# Altium PCB OLD_DIOT_temperature_logger.PcbDoc (part 5 of 6) (continued)
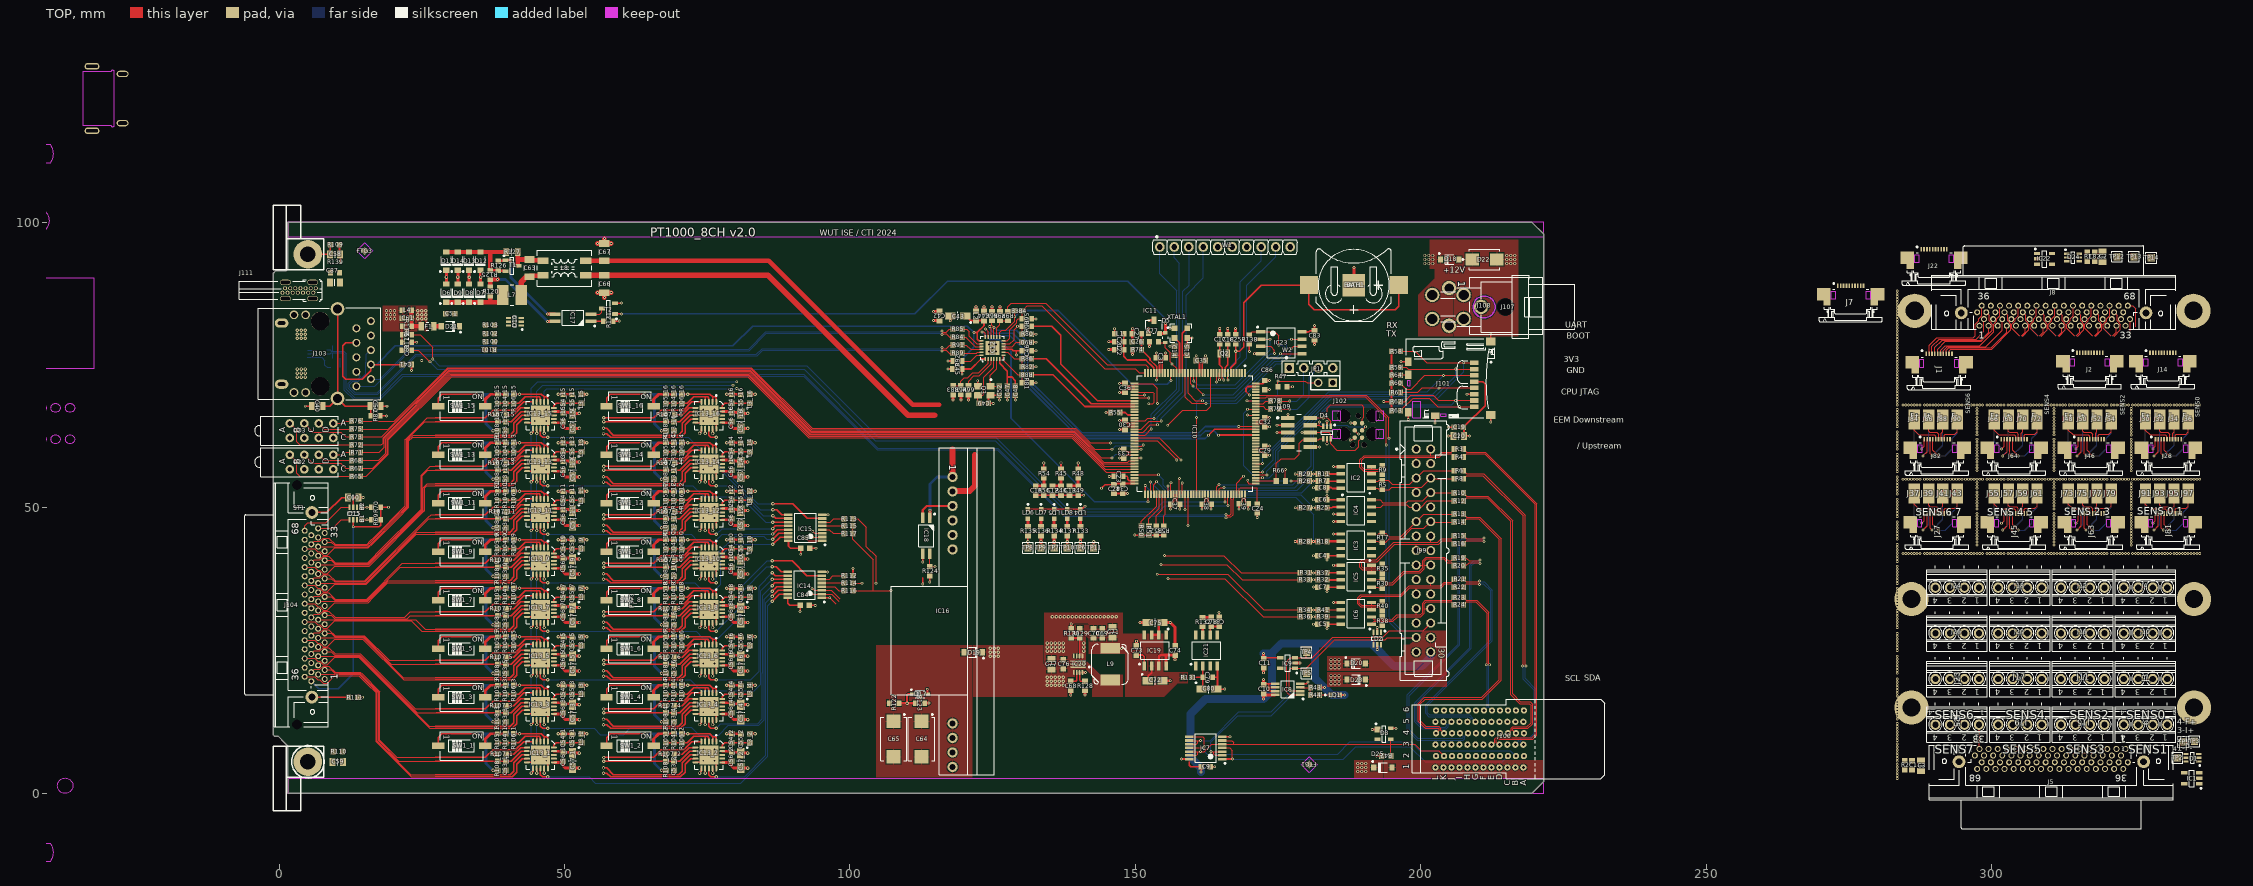
[diagram p0: TOP view]
## Nets (pads, with @x,y where several pads share a name; then routed paths per layer and width w, separated by ;. In a path a pad name is that pad's centre, name@x,y a point inside that pad or via, vN(x,y) a via of type N, cw(c..) or ccw(c..) an arc to the next point about the centre after c; other vN are vias at no path point) (continued)
  MID1 w0.3: v3(19.15,50.1) 19.15,62.425 25.025,68.3 52.575,68.3 ; v2(185.7,20.6) 187.85,22.75 ; 187.8,28.5 187.85,28.45 187.85,22.75 ; v3(193.55,68.625) 196.95,68.625 204.05,61.525 207.475,61.525 v3(208.55,62.6) ; v3(195.675,11.35) 195.675,17.2 190.125,22.75 187.85,22.75
  BOT w0.3: J104.35@5.65,19.595 6.97,18.275 10.375,18.275 13,20.9 v1(13,46.675) 13,47
  other v2: 184.3,19.2 185,19.2 185.7,19.2 184.3,19.9 185,19.9 185.7,19.9 184.3,20.6 185,20.6 135.8,44.05 183.6,61.25
P3V3_EXP1: C82.2 IC22.4 J5.35 TP14.1
P3V3_EXP2: C1.2 IC1.4 J8.35 TP3.1
P3V3_MP: C9.2 C10.2 C11.2 D2.5 D23.1 IC8.8 IC9.4 J99.30 LD1.2 R43.2 R137.1 TP10.1 | length 93.9
  TOP w0.3: 159.475,5.45 159.475,4.875 159.725,4.625 C9.2@161.55,4.625 v3(161.55,3.7) ; C11.2@172.65,23.75 IC9.4@175.4,23.75 ; R43.2@182.3,18.5 v3(183.15,18.5) ; LD1.2@185.825,17.2 v3(186.675,17.2) ; v3(192.4,25.2) D2.5@192.4,26
  TOP w0.5: TP10.1@138.1,43 R137.1@138.1,45.1 ; v3(172.5,16.5) C10.2@172.5,17.4 172.675,17.225 IC8.8@174.5,17.225 ; C11.2@172.5,23.6 v3(172.5,24.5)
  BOT w1.4: v3(161.55,3.7) 161.55,4.406 159.675,6.281 159.675,13.85 162.325,16.5 v3(172.5,16.5) 173.95,17.95 173.95,24.517 173.933,24.5 v3(172.5,24.5) ; 173.95,24.586 175.589,26.225 181.539,26.225 ; v3(186.675,17.2) 184.45,17.2 181.539,20.111 181.539,26.225 ; J99.30@201.77,24.72 201.732,24.682 201.732,23.782 200.25,22.3 195.3,22.3 191.375,26.225 181.539,26.225
  other v2: 138.1,44.05
P3V9: C69.2 C70.2 C71.2 C72.1 IC19.2 L9.2 R48.2 R129.2 R131.1 R135.1 TP8.1 | length 8.1
  TOP w0.254: TP8.1@131.2,43 v2(131.2,44.05) R135.1@131.2,45.1 ; C70.2@142.618,27.282 C70.2@142.7,27.2 ; L9.2@145.6,25.375 v3(147.6,25.375) ; C72.1@152.2,19.7 152.307,19.807 152.307,20.557 152.865,21.115 IC19.2@152.865,22.3
  TOP w0.3: R48.2@140,56.8 v2(140,57.85)
P12V0: R45.2 R133.1 TP6.1 | length 3.1
  TOP w0.3: R45.2@137,56.8 v2(137,57.85)
  TOP w0.5: TP6.1@140.4,43 R133.1@140.4,45.1
  other v2: 140.4,44.05
P12V0_DIOT: D25.2 J100.A1 J100.D1 J100.E1 J100.G1 J100.H1 J100.J1 J100.K1
P12V0_EEM: D20.2 J99.28 J99.29
P12V0_IN: D18.2 D22.1 J107.3 J108.3 J108.4
P12V0_POE: C64.1 C65.1 D19.2 IC16.8 R122.2
PC13: IC10.7 W1.9 | length 28
  TOP w0.127: v1(166.25,72.4) IC10.7@166.25,73.625
  BOT w0.127: v1(166.25,72.4) 166.25,72.95 169.575,76.275 169.575,88.975 174.62,94.02 W1.9@174.62,95.7
PC14: C18.1 IC10.8 Q2.2 | length 5.3
  TOP w0.3: IC10.8@165.75,73.625 165.75,74.575 166.225,75.05 Q2.2@166.225,77 166.225,77.068 166.225,78.675 C18.1@166.2,78.7
PC15: C17.1 IC10.9 Q2.1 W1.8 | length 32.7
  TOP w0.2: IC10.9@165.25,73.625 165.25,72.6 165.45,72.4 v3(165.5,72.4)
  TOP w0.3: C17.1@164.8,78.7 164.8,77.025 Q2.1@164.775,77 164.775,75.05 165.25,74.575 IC10.9@165.25,73.625
  BOT w0.2: v3(165.5,72.4) 165.5,73.5 168.425,76.425 168.425,89.6 172.08,93.255 W1.8@172.08,95.7
PF9_ADCIN: W1.7
PF10_ADCIN: W1.6
PF12: IC10.50 W1.2 | length 35.9
  TOP w0.2: IC10.50@149.875,65.25 151.8,65.25 152.2,65.65 v3(153.3,65.65)
  BOT w0.2: v3(153.3,65.65) 153.3,66.1 157.75,70.55 157.75,92.875 156.84,93.785 W1.2@156.84,95.7
PF13: IC10.53 W1.4 | length 38.8
  TOP w0.2: IC10.53@149.875,63.75 151.075,63.75 152.5,65.175 v3(154.55,65.175)
  BOT w0.2: v3(154.55,65.175) 154.55,65.7 158.92,70.07 158.92,87.27 161.92,90.27 W1.4@161.92,95.7
PF14: IC10.54 W1.3 | length 38
  TOP w0.2: IC10.54@149.875,63.25 151.375,63.25 152.675,64.55 v3(153.875,64.55)
  BOT w0.2: v3(153.875,64.55) 153.875,65.875 158.325,70.325 158.325,87.9 159.425,89 159.425,95.655 W1.3@159.38,95.7
PF15: IC10.55 W1.1 | length 38.3
  TOP w0.2: IC10.55@149.875,62.75 151.725,62.75 v3(152.8,63.825)
  BOT w0.2: v3(152.8,63.825) 152.8,66.35 157.25,70.8 157.25,88.037 154.3,90.987 W1.1@154.3,95.7
PFORCE_N0: J27.5 J35.1 | length 11.7
  TOP w0.127: 289.755,49 289.755,47.045 v3(290.7,46.1)
  BOT w0.127: v3(290.7,46.1) 291.883,46.1 293.1,47.317 293.1,49.2 293.995,50.095 J35.1@293.995,52.5
PFORCE_N1: J27.9 J43.1
PFORCE_N2: J45.5 J53.1 | length 11.7
  TOP w0.127: J45.5@303.755,49 303.755,47.045 v3(304.7,46.1)
  BOT w0.127: v3(304.7,46.1) 305.883,46.1 307.1,47.317 307.1,49.2 307.995,50.095 J53.1@307.995,52.5
PFORCE_N3: J45.9 J61.1 | length 5.4
  TOP w0.127: J45.9@305.745,49 305.745,49.745 305.9,49.9 307.6,49.9 307.995,50.295 J61.1@307.995,52.5
PFORCE_N4: J63.5 J71.1 | length 11.7
  TOP w0.127: 316.755,49 316.755,47.045 v3(317.7,46.1)
  BOT w0.127: v3(317.7,46.1) 318.883,46.1 320.1,47.317 320.1,49.2 320.995,50.095 J71.1@320.995,52.5
PFORCE_N5: J63.9 J79.1
PFORCE_N6: J81.5 J89.1 | length 11.7
  TOP w0.127: 330.255,49 330.255,47.045 v3(331.2,46.1)
  BOT w0.127: v3(331.2,46.1) 332.383,46.1 333.6,47.317 333.6,49.2 334.495,50.095 J89.1@334.495,52.5
PFORCE_N7: J81.9 J97.1
PFORCE_N8: J28.5 J36.1
PFORCE_N9: J28.9 J44.1 | length 11.7
  TOP w0.127: 330.255,62 330.255,60.045 v3(331.2,59.1)
  BOT w0.127: v3(331.2,59.1) 332.383,59.1 333.6,60.317 333.6,62.2 334.495,63.095 J44.1@334.495,65.5
PFORCE_N10: J46.5 J54.1
PFORCE_N11: J46.9 J62.1 | length 11.7
  TOP w0.127: 316.755,62 316.755,60.045 v3(317.7,59.1)
  BOT w0.127: v3(317.7,59.1) 318.883,59.1 320.1,60.317 320.1,62.2 320.995,63.095 J62.1@320.995,65.5
PFORCE_N12: J64.5 J72.1
PFORCE_N13: J64.9 J80.1 | length 17.2
  TOP w0.127: 303.755,62 303.755,60.045 v3(304.7,59.1) ; J64.9@305.745,62 305.745,62.745 305.9,62.9 307.6,62.9 307.995,63.295 307.995,65.5
  BOT w0.127: v3(304.7,59.1) 305.883,59.1 307.1,60.317 307.1,62.2 307.995,63.095 J80.1@307.995,65.5
PFORCE_N14: J82.5 J90.1
PFORCE_N15: J82.9 J98.1 | length 11.7
  TOP w0.127: 289.755,62 289.755,60.045 v3(290.7,59.1)
  BOT w0.127: v3(290.7,59.1) 291.883,59.1 293.1,60.317 293.1,62.2 293.995,63.095 J98.1@293.995,65.5
PFORCE_P0: J27.2 J29.1 | length 7.6
  TOP w0.127: v3(287.8,47.3) 288.245,47.745 288.245,49
  BOT w0.127: J29.1@286.495,52.5 286.495,48.605 v3(287.8,47.3)
PFORCE_P1: J27.6 J37.1 | length 6.6
  TOP w0.127: J37.1@286.495,52.5 286.495,50.605 287.3,49.8 290,49.8 290.245,49.555 290.245,49
PFORCE_P2: J45.2 J47.1 | length 7.6
  TOP w0.127: v3(301.8,47.3) 302.245,47.745 J45.2@302.245,49
  BOT w0.127: J47.1@300.495,52.5 300.495,48.605 v3(301.8,47.3)
PFORCE_P3: J45.6 J55.1 | length 6.6
  TOP w0.127: J55.1@300.495,52.5 300.495,50.605 301.3,49.8 304,49.8 304.245,49.555 J45.6@304.245,49
PFORCE_P4: J63.2 J65.1 | length 7.6
  TOP w0.127: v3(314.8,47.3) 315.245,47.745 315.245,49
  BOT w0.127: J65.1@313.495,52.5 313.495,48.605 v3(314.8,47.3)
PFORCE_P5: J63.6 J73.1 | length 6.6
  TOP w0.127: J73.1@313.495,52.5 313.495,50.605 314.3,49.8 317,49.8 317.245,49.555 317.245,49
PFORCE_P6: J81.2 J83.1 | length 7.6
  TOP w0.127: v3(328.3,47.3) 328.745,47.745 328.745,49
  BOT w0.127: J83.1@326.995,52.5 326.995,48.605 v3(328.3,47.3)
PFORCE_P7: J81.6 J91.1 | length 6.6
  TOP w0.127: J91.1@326.995,52.5 326.995,50.605 327.8,49.8 330.5,49.8 330.745,49.555 330.745,49
PFORCE_P8: J28.2 J30.1 | length 6.6
  TOP w0.127: J30.1@326.995,65.5 326.995,63.605 327.8,62.8 330.5,62.8 330.745,62.555 330.745,62
PFORCE_P9: J28.6 J38.1 | length 7.6
  TOP w0.127: v3(328.3,60.3) 328.745,60.745 328.745,62
  BOT w0.127: J38.1@326.995,65.5 326.995,61.605 v3(328.3,60.3)
PFORCE_P10: J46.2 J48.1 | length 6.6
  TOP w0.127: J48.1@313.495,65.5 313.495,63.605 314.3,62.8 317,62.8 317.245,62.555 317.245,62
PFORCE_P11: J46.6 J56.1 | length 7.6
  TOP w0.127: v3(314.8,60.3) 315.245,60.745 315.245,62
  BOT w0.127: J56.1@313.495,65.5 313.495,61.605 v3(314.8,60.3)
PFORCE_P12: J64.2 J66.1 | length 6.6
  TOP w0.127: J66.1@300.495,65.5 300.495,63.605 301.3,62.8 304,62.8 304.245,62.555 304.245,62
PFORCE_P13: J64.6 J74.1 | length 7.6
  TOP w0.127: v3(301.8,60.3) 302.245,60.745 302.245,62
  BOT w0.127: J74.1@300.495,65.5 300.495,61.605 v3(301.8,60.3)
PFORCE_P14: J82.2 J84.1 | length 6.6
  TOP w0.127: J84.1@286.495,65.5 286.495,63.605 287.3,62.8 290,62.8 290.245,62.555 290.245,62
PFORCE_P15: J82.6 J92.1 | length 7.6
  TOP w0.127: v3(287.8,60.3) 288.245,60.745 288.245,62
  BOT w0.127: J92.1@286.495,65.5 286.495,61.605 v3(287.8,60.3)
PGOOD: IC20.7
PHY_NRST: IC10.129 IC12.15 R98.2 | length 60.8
  TOP w0.2: R98.2@124.9,82.8 124.9,81.95 v3(125.25,81.6) IC12.15@125.25,79.9 ; v3(168.15,64.25) IC10.129@171.125,64.25
  BOT w0.29: v3(125.25,81.6) 125.775,81.075 129.15,81.075 131.167,79.058 131.167,72.617 133.192,70.591 133.217,70.567 140.625,63.159 161.184,63.159 162.275,64.25 v3(168.15,64.25)
PHY_RD_N: D10.1 IC12.22 R91.1 R100.1 | length 3.8
  TOP w0.2: R91.1@119.65,78.5 120.425,78.5 121.175,77.75 IC12.22@123.1,77.75
PHY_RD_P: D10.3 IC12.23 R89.1 R101.1 | length 3.5
  TOP w0.2: R89.1@119.65,77.1 122.2,77.1 122.35,77.25 IC12.23@123.1,77.25
PHY_TD_N: D10.4 IC12.20 R85.1 R103.1 | length 5
  TOP w0.2: R85.1@119.65,81.3 120.45,81.3 120.9,80.85 120.9,80.05 122.2,78.75 IC12.20@123.1,78.75
PHY_TD_P: D10.6 IC12.21 R84.1 R102.1 | length 4.1
  TOP w0.2: R84.1@119.65,79.9 120.3,79.9 121.95,78.25 IC12.21@123.1,78.25
POE_IN1: D6.2 D11.1 J103.5 | length 36.1
  TOP w0.508: D6.2@29.2,89.2 D6.2@29.225,89.225 ; D6.2@29.325,89.225 v2(29.325,90.413) D11.1@29.325,91.6
  MID2 w1: J103.5@13.55,76.365 12.285,76.365 11.35,77.3 11.35,82.127 13.25,84.027 13.25,88.575 17.475,92.8 24.496,92.8 26.883,90.413 v2(29.325,90.413)
  BOT w0.508: J103.5@13.316,76.365 J103.5@13.539,76.365
POE_IN2: D7.2 D12.1 J103.8 | length 30.4
  TOP w0.5: D7.2@35.2,89.2 D7.2@35.225,89.225 ; D7.2@35.325,89.225 v2(35.325,90.413) D12.1@35.325,91.6
  MID2 w1: J103.8@16.09,80.175 17.697,81.782 17.697,86.697 19.425,88.425 22.7,88.425 24.675,86.45 31.362,86.45 v2(35.325,90.413)
POE_IN3: D8.2 D13.1 J103.10 | length 27.2
  TOP w0.508: D8.2@33.3,89.2 v2(33.3,90.4) D13.1@33.3,91.6
  MID2 w1: J103.10@16.09,82.715 16.09,87.115 18.95,89.975 23.1,89.975 25.275,87.8 30.7,87.8 v2(33.3,90.4)
POE_IN4: D9.2 D14.1 J103.9 | length 29
  TOP w0.508: D9.2@31.2,89.2 D9.2@31.225,89.225 ; D9.2@31.325,89.225 v2(31.325,90.413) D14.1@31.325,91.6
  MID2 w1: J103.9@13.55,81.445 13.55,81.553 14.625,82.628 14.625,88 18.05,91.425 23.7,91.425 26,89.125 30.037,89.125 v2(31.325,90.413)
POE_PWR_SRC: D17.1 IC10.13 R122.1 R123.2 | length 113
  TOP w0.2: v3(155.7,64.45) 158.325,67.075 162.55,67.075 163.25,67.775 IC10.13@163.25,73.625
  TOP w0.4: R122.1@108.575,15.775 v2(110.025,15.775) ; D17.1@110.975,17.375 110.259,17.375 110.025,17.141 v2(110.025,15.775) ; R123.2@111.475,15.775 v2(110.025,15.775)
  MID1 w0.4: v2(110.025,15.775) 110.025,27.65 115,32.625 153.075,32.625 157,36.55 157,50.775 159.45,53.225 159.45,55.075 155.7,58.825 v3@155.7,64.4
POE_VC+: D6.1 D7.1 D8.1 D9.1 L7.1 R120.2 | length 11.9
  TOP w0.762: D6.1@29.3,86 D9.1@31.3,86 D8.1@33.3,86 D7.1@35.3,86 37.026,86 ; R120.2@37,87.1 37,86.026 37.026,86 ; L7.1@39.2,87.3 39.2,86.619 38.581,86 37.026,86
POE_VC-: D11.2 D12.2 D13.2 D14.2 R125.1 R126.1 R127.1 T1.2 | length 16.2
  TOP w0.4: R125.1@37,91.6 R126.1@38.4,91.6 ; R126.1@38.475,91.525 T1.2@39.575,91.525
  TOP w0.762: D11.2@29.3,94.8 D14.2@31.3,94.8 D13.2@33.3,94.8 D12.2@35.3,94.8 39.706,94.8 39.8,94.706 R127.1@39.8,94.7 ; R125.1@37,91.6 37,94.726
PRTDIN_N0: J27.4 J33.1 | length 10.2
  TOP w0.127: 289.245,49 289.245,46.455 v3(289.6,46.1)
  BOT w0.127: v3(289.6,46.1) 291.495,47.995 J33.1@291.495,52.5
PRTDIN_N1: J27.8 J41.1 | length 5.4
  TOP w0.127: J27.8@291.745,49 291.745,49.745 291.9,49.9 293.6,49.9 293.995,50.295 293.995,52.5
PRTDIN_N2: J45.4 J51.1 | length 10.2
  TOP w0.127: J45.4@303.245,49 303.245,46.455 v3(303.6,46.1)
  BOT w0.127: v3(303.6,46.1) 305.495,47.995 J51.1@305.495,52.5
PRTDIN_N3: J45.8 J59.1 | length 3.6
  TOP w0.127: J45.8@305.245,49 305.245,50.05 305.495,50.3 J59.1@305.495,52.5
PRTDIN_N4: J63.4 J69.1 | length 10.2
  TOP w0.127: 316.245,49 316.245,46.455 v3(316.6,46.1)
  BOT w0.127: v3(316.6,46.1) 318.495,47.995 J69.1@318.495,52.5
PRTDIN_N5: J63.8 J77.1 | length 5.4
  TOP w0.127: J63.8@318.745,49 318.745,49.745 318.9,49.9 320.6,49.9 320.995,50.295 320.995,52.5
PRTDIN_N6: J81.4 J87.1 | length 10.2
  TOP w0.127: 329.745,49 329.745,46.455 v3(330.1,46.1)
  BOT w0.127: v3(330.1,46.1) 331.995,47.995 J87.1@331.995,52.5
PRTDIN_N7: J81.8 J95.1 | length 5.4
  TOP w0.127: J81.8@332.245,49 332.245,49.745 332.4,49.9 334.1,49.9 334.495,50.295 334.495,52.5
PRTDIN_N8: J28.4 J34.1
PRTDIN_N9: J28.8 J42.1 | length 15.7
  TOP w0.127: 329.745,62 329.745,59.455 v3(330.1,59.1) ; J28.8@332.245,62 332.245,62.745 332.4,62.9 334.1,62.9 334.495,63.295 334.495,65.5
  BOT w0.127: v3(330.1,59.1) 331.995,60.995 J42.1@331.995,65.5
PRTDIN_N10: J46.4 J52.1
PRTDIN_N11: J46.8 J60.1 | length 15.7
  TOP w0.127: 316.245,62 316.245,59.455 v3(316.6,59.1) ; J46.8@318.745,62 318.745,62.745 318.9,62.9 320.6,62.9 320.995,63.295 320.995,65.5
  BOT w0.127: v3(316.6,59.1) 318.495,60.995 J60.1@318.495,65.5
PRTDIN_N12: J64.4 J70.1
PRTDIN_N13: J64.8 J78.1 | length 13.8
  TOP w0.127: 303.245,62 303.245,59.455 v3(303.6,59.1) ; J64.8@305.245,62 305.245,63.05 305.495,63.3 305.495,65.5
  BOT w0.127: v3(303.6,59.1) 305.495,60.995 J78.1@305.495,65.5
PRTDIN_N14: J82.4 J88.1
PRTDIN_N15: J82.8 J96.1 | length 15.7
  TOP w0.127: 289.245,62 289.245,59.455 v3(289.6,59.1) ; J82.8@291.745,62 291.745,62.745 291.9,62.9 293.6,62.9 293.995,63.295 293.995,65.5
  BOT w0.127: v3(289.6,59.1) 291.495,60.995 J96.1@291.495,65.5
PRTDIN_P0: J27.3 J31.1 | length 10
  TOP w0.127: v3(288,46.1) 288.745,46.845 288.745,49
  BOT w0.127: v3(288,46.1) 288.995,47.095 J31.1@288.995,52.5
PRTDIN_P1: J27.7 J39.1 | length 8.5
  TOP w0.127: J39.1@288.995,52.5 288.995,50.405 289.2,50.2 290.4,50.2 290.745,49.855 290.745,49 ; J27.7@291.245,49 291.245,50.05 291.495,50.3 291.495,52.5
PRTDIN_P2: J45.3 J49.1 | length 10
  TOP w0.127: v3(302,46.1) 302.745,46.845 J45.3@302.745,49
  BOT w0.127: v3(302,46.1) 302.995,47.095 J49.1@302.995,52.5
PRTDIN_P3: J45.7 J57.1 | length 4.9
  TOP w0.127: J57.1@302.995,52.5 302.995,50.405 303.2,50.2 304.4,50.2 304.745,49.855 J45.7@304.745,49
PRTDIN_P4: J63.3 J67.1 | length 10
  TOP w0.127: v3(315,46.1) 315.745,46.845 315.745,49
  BOT w0.127: v3(315,46.1) 315.995,47.095 J67.1@315.995,52.5
PRTDIN_P5: J63.7 J75.1 | length 8.5
  TOP w0.127: J75.1@315.995,52.5 315.995,50.405 316.2,50.2 317.4,50.2 317.745,49.855 317.745,49 ; J63.7@318.245,49 318.245,50.05 318.495,50.3 318.495,52.5
PRTDIN_P6: J81.3 J85.1 | length 10
  TOP w0.127: v3(328.5,46.1) 329.245,46.845 329.245,49
  BOT w0.127: v3(328.5,46.1) 329.495,47.095 J85.1@329.495,52.5
PRTDIN_P7: J81.7 J93.1 | length 8.5
  TOP w0.127: J93.1@329.495,52.5 329.495,50.405 329.7,50.2 330.9,50.2 331.245,49.855 331.245,49 ; J81.7@331.745,49 331.745,50.05 331.995,50.3 331.995,52.5
PRTDIN_P8: J28.3 J32.1 | length 4.9
  TOP w0.127: J32.1@329.495,65.5 329.495,63.405 329.7,63.2 330.9,63.2 331.245,62.855 331.245,62
PRTDIN_P9: J28.7 J40.1 | length 13.6
  TOP w0.127: v3(328.5,59.1) 329.245,59.845 329.245,62 ; J28.7@331.745,62 331.745,63.05 331.995,63.3 331.995,65.5
  BOT w0.127: v3(328.5,59.1) 329.495,60.095 J40.1@329.495,65.5
PRTDIN_P10: J46.3 J50.1 | length 4.9
  TOP w0.127: J50.1@315.995,65.5 315.995,63.405 316.2,63.2 317.4,63.2 317.745,62.855 317.745,62
PRTDIN_P11: J46.7 J58.1 | length 13.6
  TOP w0.127: v3(315,59.1) 315.745,59.845 315.745,62 ; J46.7@318.245,62 318.245,63.05 318.495,63.3 318.495,65.5
  BOT w0.127: v3(315,59.1) 315.995,60.095 J58.1@315.995,65.5
PRTDIN_P12: J64.3 J68.1 | length 14.9
  TOP w0.127: v3(302,59.1) 302.745,59.845 J64.3@302.745,62 ; J68.1@302.995,65.5 302.995,63.405 303.2,63.2 304.4,63.2 304.745,62.855 304.745,62
  BOT w0.127: v3(302,59.1) 302.995,60.095 302.995,65.5
PRTDIN_P13: J64.7 J76.1
PRTDIN_P14: J82.3 J86.1 | length 4.9
  TOP w0.127: J86.1@288.995,65.5 288.995,63.405 289.2,63.2 290.4,63.2 290.745,62.855 290.745,62
PRTDIN_P15: J82.7 J94.1 | length 13.6
  TOP w0.127: v3(288,59.1) 288.745,59.845 288.745,62 ; J82.7@291.245,62 291.245,63.05 291.495,63.3 291.495,65.5
  BOT w0.127: v3(288,59.1) 288.995,60.095 J94.1@288.995,65.5
QSPI_BK1_CLK: IC10.22 IC23.6 | length 29.8
  TOP w0.2: IC10.22@158.75,73.625 158.75,69.4 159.875,68.275 v1(162.375,68.275) ; v1(177.325,77.85) 177.74,78.265 IC23.6@179.2,78.265
  BOT w0.2: v1(162.375,68.275) 167.75,68.275 174.675,75.2 175.625,75.2 177.325,76.9 v1(177.325,77.85)
QSPI_BK1_D0: IC10.18 IC23.5 | length 24.6
  TOP w0.2: IC10.18@160.75,73.625 160.75,70.975 v1(161.925,69.8) ; v1(175.43,76.995) IC23.5@179.2,76.995
  BOT w0.2: v1(161.925,69.8) 161.95,69.775 167.175,69.775 173.875,76.475 174.91,76.475 v1(175.43,76.995)
QSPI_BK1_D1: IC10.19 IC23.2 | length 21.1
  TOP w0.2: v1(160.25,72.225) IC10.19@160.25,73.625 ; IC23.2@172,79.535 173.615,79.535 v1(173.625,79.525)
  BOT w0.2: v1(160.25,72.225) 160.925,71.55 167.525,71.55 173.625,77.65 v1(173.625,79.525)
QSPI_BK1_D2: IC10.20 IC23.3 | length 22.7
  TOP w0.2: IC10.20@159.75,73.625 159.75,71.7 v1(160.1,71.35) ; IC23.3@172,78.265 173.735,78.265 174.4,77.6 v1(174.4,77)
  BOT w0.2: v1(160.1,71.35) 160.5,70.95 167.7,70.95 173.75,77 v1(174.4,77)
QSPI_BK1_D3: IC10.21 IC23.7 | length 30
  TOP w0.2: IC10.21@159.25,73.625 159.25,70.05 160.55,68.75 v1(161.8,68.75) ; v1(177.41,79.535) IC23.7@179.2,79.535
  BOT w0.2: v1(161.8,68.75) 167.55,68.75 174.475,75.675 175.5,75.675 176.55,76.725 176.55,79.25 176.835,79.535 v1(177.41,79.535)
QSPI_BK1_NSS: IC10.91 IC23.1 R138.1 | length 44.5
  TOP w0.2: IC10.91@160.75,52.375 v1(160.75,65.8) ; R138.1@170.006,80.294 170.517,80.805 IC23.1@172,80.805 174.47,80.805 175.15,80.125 v1(175.15,78.5)
  BOT w0.2: v1(160.75,65.8) 160.75,68.45 161.6,69.3 167.461,69.3 174.261,76.1 175.225,76.1 176.1,76.975 176.1,78.2 175.8,78.5 v1(175.15,78.5)
RCC_MCO_1: IC10.100
RD_N: J103.6 R91.2 | length 118.2
  TOP w0.127: v3(116.136,78.051) 116.297,77.89 116.926,77.89 117.536,78.5 R91.2@118.05,78.5
  BOT w0.127: J103.6@16.09,77.635 15.314,76.859 15.314,75.542 15.225,75.453 15.225,73.525 13.85,72.15 12.895,72.15 12.425,71.68 12.425,71.075 13.325,70.175 17.18,70.175 23.751,76.746 23.914,76.909 83.634,76.909 84.615,77.89 115.975,77.89 v3(116.136,78.051)
RD_P: J103.3 R89.2 | length 114.5
  TOP w0.127: v3(116.136,77.449) 116.297,77.61 116.926,77.61 117.536,77 R89.2@118.05,77
  BOT w0.127: J103.3@13.55,73.825 13.55,73.7 14.225,73.025 14.225,72.92 13.734,72.43 12.78,72.43 12.146,71.796 12.146,70.959 13.209,69.896 17.296,69.896 24.03,76.63 83.75,76.63 84.73,77.61 115.975,77.61 v3(116.136,77.449)
RMII_CRS_DV: IC10.43 R93.1 | length 26.4
  TOP w0.29: R93.1@131.8,81.8 135.35,81.8 136.95,80.2 136.95,75.2 143.4,68.75 IC10.43@149.875,68.75
RMII_MDC: B3.1 IC10.27 IC12.13 | length 40.9
  TOP w0.2: IC12.13@126.25,79.9 126.25,80.75 126.575,81.075 127.275,81.075 128.9,82.7 v1(128.9,83.475) B3.1@128.9,84.5 ; v1(156.25,72.275) IC10.27@156.25,73.625
  BOT w0.29: v1(128.9,83.475) 130,84.575 136.5,84.575 149.421,71.654 155.629,71.654 v1(156.25,72.275)
RMII_MDIO: B4.1 IC10.36 IC12.12 R95.2 | length 34.2
  TOP w0.2: IC12.12@126.9,79.25 127.55,79.25 128,79.7 128,81.175 129.275,82.45 129.275,82.825 129.55,83.1 R95.2@130.2,83.1 B4.1@130.2,84.5 131.075,85.375 133.6,85.375 144.625,74.35 150.025,74.35 150.75,73.625 IC10.36@151.75,73.625
RMII_REF_CLK: IC10.35 R97.1 | length 31.3
  TOP w0.2: R97.1@127.7,84.4 127.7,85.225 128.3,85.825 134.325,85.825 145.1,75.05 151.85,75.05 152.25,74.65 IC10.35@152.25,73.625
RMII_RXD0: IC10.44 R86.1 | length 21.3
  TOP w0.29: R86.1@131.8,76.1 134.425,76.1 142.275,68.25 IC10.44@149.875,68.25
RMII_RXD1: IC10.45 R88.1 | length 20.4
  TOP w0.29: R88.1@131.8,73.3 135.6,73.3 141.15,67.75 IC10.45@149.875,67.75
RMII_TX_EN: IC10.126 IC12.16 | length 60.9
  TOP w0.2: v1(124.525,81.75) 124.75,81.525 IC12.16@124.75,79.9
  TOP w0.29: v1(164.575,62.7) 164.632,62.7 164.682,62.75 IC10.126@171.125,62.75
  BOT w0.29: v1(124.525,81.75) 124.525,81.35 125.325,80.55 128.525,80.55 130.625,78.45 130.625,72.45 140.425,62.65 161.45,62.65 162.25,63.45 163.825,63.45 v1(164.575,62.7)
RMII_TXD0: IC10.128 IC12.17 | length 61
  TOP w0.2: v1(123.775,81.325) 124.25,80.85 IC12.17@124.25,79.9
  TOP w0.29: v1@162.832,62.707 163.875,63.75 IC10.128@171.125,63.75
  BOT w0.29: v1(123.775,81.325) 124.975,80.125 128.075,80.125 130.125,78.075 130.125,72.275 140.275,62.125 162.25,62.125 v1(162.825,62.7)
RMII_TXD1: IC10.74 IC12.18 | length 51
  TOP w0.2: v1(123.15,80.825) 123.475,80.825 123.75,80.55 IC12.18@123.75,79.9 ; v1(152.25,51.05) IC10.74@152.25,52.375
  BOT w0.29: v1(123.15,80.825) 124.5,79.475 126.125,79.475 128.225,77.375 128.225,65.7 142.875,51.05 v1(152.25,51.05)
RSTn: D5.2 IC10.25 J102.3 J109.10 R77.1 | length 59.2
  TOP w0.127: R77.1@154.1,79.1 154.25,78.95 D5.2@155.3,78.95 155.3,78 156.125,77.175 156.125,75.55 156.5,75.175 157.25,74.425 IC10.25@157.25,73.625 ; J109.10@180.65,60.66 182.265,60.66 v3(182.275,60.65)
  TOP w0.2: J102.3@188.465,63.56 v3(189.1,62.925)
  MID1 w0.127: v1(156.472,75.203) 165.197,75.203 166.625,73.775 168.225,73.775 172.425,69.575 186.9,69.575 188.2,68.275 188.2,65.125 188.667,64.658 ; v3(182.275,60.65) 183.017,61.392 183.017,62.967 184.4,64.35 188.359,64.35 188.667,64.658 ; v3(189.1,62.925) 189.1,64.225 188.667,64.658
RTDIN_N00: C53_1.1 IC13_1.8 J104.2 | length 51.9
  TOP w0.102: J104.2@6.85,20.795 14.092,20.795 17.25,17.638 17.25,9.062 23.062,3.25 27.375,3.25
  TOP w0.254: 27.375,3.25 39.684,3.25 ; C53_1.1@39.7,4 39.7,3.266 39.684,3.25 ; IC13_1.8@43.45,6.7 42.5,6.7 41.125,5.325 41.125,3.875 40.5,3.25 39.684,3.25
RTDIN_N01: C53_2.1 IC13_2.8 J104.4 | length 81.4
  TOP w0.254: v2(56.85,4.425) 57.4,4.425 58.575,3.25 69.184,3.25 ; C53_2.1@69.2,4 69.2,3.266 69.184,3.25 ; IC13_2.8@72.95,6.7 72,6.7 70.625,5.325 70.625,3.875 70,3.25 69.184,3.25
  MID1 w0.102: J104.4@6.85,22.395 14.204,22.395 18.318,18.281 18.318,10.92 18.521,10.717 23.842,5.396 55.879,5.396 v2(56.85,4.425)
RTDIN_N02: C53_3.1 IC13_3.8 J104.6 | length 44.7
  TOP w0.102: J104.6@6.85,23.995 14.03,23.995 26.275,11.75 27.375,11.75
  TOP w0.254: 27.375,11.75 39.684,11.75 ; C53_3.1@39.7,12.5 39.7,11.766 39.684,11.75 ; IC13_3.8@43.45,15.2 42.5,15.2 41.125,13.825 41.125,12.375 40.5,11.75 39.684,11.75
RTDIN_N03: C53_4.1 IC13_4.8 J104.8 | length 74.9
  TOP w0.254: v2(56.85,12.925) 57.4,12.925 58.575,11.75 69.184,11.75 ; C53_4.1@69.2,12.5 69.2,11.766 69.184,11.75 ; IC13_4.8@72.95,15.2 72,15.2 70.625,13.825 70.625,12.375 70,11.75 69.184,11.75
  MID1 w0.102: J104.8@6.85,25.595 14.23,25.595 14.318,25.595 26.017,13.896 26.229,13.896 55.879,13.896 v2(56.85,12.925)
RTDIN_N04: C53_5.1 IC13_5.8 J104.10 | length 42.5
  TOP w0.102: J104.10@6.85,27.195 14.78,27.195 21.725,20.25 27.375,20.25
  TOP w0.254: 27.375,20.25 39.684,20.25 ; C53_5.1@39.7,21 39.7,20.266 39.684,20.25 ; IC13_5.8@43.45,23.7 42.5,23.7 41.125,22.325 41.125,20.875 40.5,20.25 39.684,20.25
RTDIN_N05: C53_6.1 IC13_6.8 J104.12 | length 72.7
  TOP w0.254: v2(56.85,21.425) 57.4,21.425 58.575,20.25 69.184,20.25 ; C53_6.1@69.2,21 69.2,20.266 69.184,20.25 ; IC13_6.8@72.95,23.7 72,23.7 70.625,22.325 70.625,20.875 70,20.25 69.184,20.25
  MID1 w0.102: J104.12@6.85,28.795 14.291,28.795 18.63,28.795 18.918,28.795 25.317,22.396 55.879,22.396 v2(56.85,21.425)
RTDIN_N06: C53_7.1 IC13_7.8 J104.14 | length 40.4
  TOP w0.102: J104.14@6.85,30.395 13.643,30.395 ; 13.575,30.395 23.98,30.395 25.625,28.75 27.375,28.75
  TOP w0.254: 27.375,28.75 39.684,28.75 ; C53_7.1@39.7,29.5 39.7,28.766 39.684,28.75 ; IC13_7.8@43.45,32.2 42.5,32.2 41.125,30.825 41.125,29.375 40.5,28.75 39.684,28.75
RTDIN_N07: C53_8.1 IC13_8.8 J104.16 | length 70.5
  TOP w0.254: v2(56.85,29.925) 57.4,29.925 58.575,28.75 69.184,28.75 ; C53_8.1@69.2,29.5 69.2,28.766 69.184,28.75 ; IC13_8.8@72.95,32.2 72,32.2 70.625,30.825 70.625,29.375 70,28.75 69.184,28.75
  MID1 w0.102: J104.16@6.85,31.995 20.88,31.995 21.168,31.995 22.267,30.896 55.242,30.896 55.879,30.896 v2(56.85,29.925)
RTDIN_N08: C53_9.1 IC13_9.8 J104.18 | length 41.1
  TOP w0.102: J104.18@6.85,33.595 13.575,33.595 13.643,33.595 15.223,33.595 15.511,33.595 19.166,37.25 27.375,37.25
  TOP w0.254: 27.375,37.25 39.684,37.25 ; C53_9.1@39.7,38 39.7,37.266 39.684,37.25 ; IC13_9.8@43.45,40.7 42.5,40.7 41.125,39.325 41.125,37.875 40.5,37.25 39.684,37.25
RTDIN_N09: C53_10.1 IC13_10.8 J104.20 | length 71.8
  TOP w0.254: v2(56.85,38.425) 57.4,38.425 58.575,37.25 69.184,37.25 ; C53_10.1@69.2,38 69.2,37.266 69.184,37.25 ; IC13_10.8@72.95,40.7 72,40.7 70.625,39.325 70.625,37.875 70,37.25 69.184,37.25
  MID1 w0.102: J104.20@6.85,35.195 9.654,35.195 14.946,35.195 19.147,39.396 55.879,39.396 v2(56.85,38.425)
RTDIN_N10: C53_11.1 IC13_11.8 J104.22 | length 43.3
  TOP w0.102: J104.22@6.85,36.795 13.575,36.795 13.643,36.795 14.026,36.795 ; 14.026,36.795 14.208,36.795 14.708,36.796 15.196,36.796 24.15,45.75 27.375,45.75
  TOP w0.254: 27.375,45.75 39.684,45.75 ; C53_11.1@39.7,46.5 39.7,45.766 39.684,45.75 ; IC13_11.8@43.45,49.2 42.5,49.2 41.125,47.825 41.125,46.375 40.5,45.75 39.684,45.75

## Text inside footprints (layer, text, board x,y; h text height)
J19: TopOverlay "4" at 301.571,10.222 h1 r180; TopOverlay "1" at 308.937,10.222 h1 r180; TopOverlay "2" at 306.651,10.222 h1 r180; TopOverlay "3" at 304.111,10.222 h1 r180
J20: TopOverlay "4" at 301.571,26.222 h1 r180; TopOverlay "1" at 308.937,26.222 h1 r180; TopOverlay "2" at 306.651,26.222 h1 r180; TopOverlay "3" at 304.111,26.222 h1 r180
J23: TopOverlay "4" at 290.571,18.222 h1 r180; TopOverlay "1" at 297.937,18.222 h1 r180; TopOverlay "2" at 295.651,18.222 h1 r180; TopOverlay "3" at 293.111,18.222 h1 r180
J24: TopOverlay "4" at 290.571,34.222 h1 r180; TopOverlay "1" at 297.937,34.222 h1 r180; TopOverlay "2" at 295.651,34.222 h1 r180; TopOverlay "3" at 293.111,34.222 h1 r180
J25: TopOverlay "4" at 290.571,10.222 h1 r180; TopOverlay "1" at 297.937,10.222 h1 r180; TopOverlay "2" at 295.651,10.222 h1 r180; TopOverlay "3" at 293.111,10.222 h1 r180
J26: TopOverlay "4" at 290.571,26.222 h1 r180; TopOverlay "1" at 297.937,26.222 h1 r180; TopOverlay "2" at 295.651,26.222 h1 r180; TopOverlay "3" at 293.111,26.222 h1 r180
J99: TopOverlay "30" at 203.167,25.355 h1.02 r270; Mechanical14 "30" at 203.167,25.355 h1.02 r270
J100: TopOverlay "A" at 218.5,1.3 h1 r90; TopOverlay "B" at 217.1,1.3 h1 r90; TopOverlay "C" at 215.7,1.3 h1 r90; TopOverlay "D" at 214.3,2.3 h1 r90; TopOverlay "E" at 212.9,2.3 h1 r90; TopOverlay "F" at 211.5,2.3 h1 r90; TopOverlay "G" at 210.1,2.3 h1 r90; TopOverlay "H" at 208.7,2.3 h1 r90; TopOverlay "I" at 207.3,2.55 h1 r90; TopOverlay "J" at 205.9,2.3 h1 r90; TopOverlay "K" at 204.5,2.3 h1 r90; TopOverlay "L" at 203.1,2.3 h1 r90; TopOverlay "1" at 198.05,4.15 h1 r90; TopOverlay "2" at 198.05,6.15 h1 r90; TopOverlay "3" at 198.05,8.15 h1 r90; TopOverlay "4" at 198.05,10.15 h1 r90; TopOverlay "5" at 198.05,12.15 h1 r90; TopOverlay "6" at 198.05,14.15 h1 r90; DrillDrawing "PRESS-FIT TECHNOLOGY" at 218.75,17 h1 r180; DrillDrawing "Diam. 0.5mm +/-0.05" at 218.75,18.5 h1 r180; Mechanical14 "A" at 218.5,1.3 h1 r90; Mechanical14 "B" at 217.1,1.3 h1 r90; Mechanical14 "C" at 215.7,1.3 h1 r90; Mechanical14 "D" at 214.3,2.3 h1 r90; Mechanical14 "E" at 212.9,2.3 h1 r90; Mechanical14 "F" at 211.5,2.3 h1 r90; Mechanical14 "G" at 210.1,2.3 h1 r90; Mechanical14 "H" at 208.7,2.3 h1 r90; Mechanical14 "I" at 207.3,2.55 h1 r90; Mechanical14 "J" at 205.9,2.3 h1 r90; Mechanical14 "K" at 204.5,2.3 h1 r90; Mechanical14 "L" at 203.1,2.3 h1 r90; Mechanical14 "1" at 198.05,4.15 h1 r90; Mechanical14 "2" at 198.05,6.15 h1 r90; Mechanical14 "3" at 198.05,8.15 h1 r90; Mechanical14 "4" at 198.05,10.15 h1 r90; Mechanical14 "5" at 198.05,12.15 h1 r90; Mechanical14 "6" at 198.05,14.15 h1 r90; Mechanical8 "Top Surface of Mother Board" at 232.35,5.125 h0.5 r90; Mechanical8 "Edge of Daugher Card" at 220.85,6.275 h0.5 r90
J104: TopOverlay "36" at 3.489,19.706 h1.2 r90; TopOverlay "1" at 10.324,19.841 h1.2 r90; TopOverlay "68" at 3.489,45.306 h1.2 r90; TopOverlay "33" at 10.322,44.62 h1.2 r90; Mechanical14 "1" at 10.324,19.841 h1.2 r90; Mechanical14 "33" at 10.322,44.62 h1.2 r90; Mechanical8 "EDGE OF PCB" at -0.972,28.983 h1 r90
J108: TopOverlay "1" at 206.591,89.66 h1.2 r270; Mechanical14 "1" at 206.591,89.66 h1.2 r270
J110: DrillDrawing "9.3" at -32.57,118.9 h1 r270; DrillDrawing "5.6" at -32.17,124.5 h1 r180; DrillDrawing "r0.3" at -27.244,127.776 h1 r180
LD2: TopOverlay "C" at 10.78,56.349 h1; TopOverlay "A" at 10.78,58.889 h1; TopOverlay "D" at 8.729,57.669 h1 r90; TopOverlay "C" at 6.189,57.669 h1 r90; TopOverlay "B" at 3.649,57.669 h1 r90; TopOverlay "A" at 1.109,57.669 h1 r90; Mechanical14 "A" at 10.78,58.889 h1; Mechanical14 "C" at 10.78,56.349 h1; Mechanical14 "D" at 8.729,57.669 h1 r90; Mechanical14 "C" at 6.189,57.669 h1 r90; Mechanical14 "B" at 3.649,57.669 h1 r90; Mechanical14 "A" at 1.109,57.669 h1 r90
LD3: TopOverlay "C" at 10.78,61.849 h1; TopOverlay "A" at 10.78,64.389 h1; TopOverlay "D" at 8.729,63.169 h1 r90; TopOverlay "C" at 6.189,63.169 h1 r90; TopOverlay "B" at 3.649,63.169 h1 r90; TopOverlay "A" at 1.109,63.169 h1 r90; Mechanical14 "A" at 10.78,64.389 h1; Mechanical14 "C" at 10.78,61.849 h1; Mechanical14 "D" at 8.729,63.169 h1 r90; Mechanical14 "C" at 6.189,63.169 h1 r90; Mechanical14 "B" at 3.649,63.169 h1 r90; Mechanical14 "A" at 1.109,63.169 h1 r90
SW1_1: TopOverlay "1" at 28.825,10.205 h1 r270; TopOverlay "ON" at 33.878,9.528 h0.89; Mechanical14 "ON" at 34.54,9.189 h1 r270
SW1_2: TopOverlay "1" at 58.325,10.205 h1 r270; TopOverlay "ON" at 63.378,9.528 h0.89; Mechanical14 "ON" at 64.04,9.189 h1 r270
SW1_3: TopOverlay "1" at 28.825,18.705 h1 r270; TopOverlay "ON" at 33.878,18.028 h0.89; Mechanical14 "ON" at 34.54,17.689 h1 r270
SW1_4: TopOverlay "ON" at 63.378,18.028 h0.89; TopOverlay "1" at 58.325,18.705 h1 r270; Mechanical14 "ON" at 64.04,17.689 h1 r270
SW1_5: TopOverlay "ON" at 33.878,26.528 h0.89; TopOverlay "1" at 28.825,27.205 h1 r270; Mechanical14 "ON" at 34.54,26.189 h1 r270
SW1_6: TopOverlay "ON" at 63.378,26.528 h0.89; TopOverlay "1" at 58.325,27.205 h1 r270; Mechanical14 "ON" at 64.04,26.189 h1 r270
SW1_7: TopOverlay "ON" at 33.878,35.028 h0.89; TopOverlay "1" at 28.825,35.705 h1 r270; Mechanical14 "ON" at 34.54,34.689 h1 r270
SW1_8: TopOverlay "ON" at 63.378,35.028 h0.89; TopOverlay "1" at 58.325,35.705 h1 r270; Mechanical14 "ON" at 64.04,34.689 h1 r270
SW1_9: TopOverlay "ON" at 33.878,43.528 h0.89; TopOverlay "1" at 28.825,44.205 h1 r270; Mechanical14 "ON" at 34.54,43.189 h1 r270
SW1_10: TopOverlay "1" at 58.325,44.205 h1 r270; TopOverlay "ON" at 63.378,43.528 h0.89; Mechanical14 "ON" at 64.04,43.189 h1 r270
SW1_11: TopOverlay "1" at 28.825,52.705 h1 r270; TopOverlay "ON" at 33.878,52.028 h0.89; Mechanical14 "ON" at 34.54,51.689 h1 r270
SW1_12: TopOverlay "1" at 58.325,52.705 h1 r270; TopOverlay "ON" at 63.378,52.028 h0.89; Mechanical14 "ON" at 64.04,51.689 h1 r270
SW1_13: TopOverlay "1" at 28.825,61.205 h1 r270; TopOverlay "ON" at 33.878,60.528 h0.89; Mechanical14 "ON" at 34.54,60.189 h1 r270
SW1_14: TopOverlay "1" at 58.325,61.205 h1 r270; TopOverlay "ON" at 63.378,60.528 h0.89; Mechanical14 "ON" at 64.04,60.189 h1 r270
SW1_15: TopOverlay "1" at 28.825,69.705 h1 r270; TopOverlay "ON" at 33.878,69.028 h0.89; Mechanical14 "ON" at 34.54,68.689 h1 r270
SW1_16: TopOverlay "1" at 58.325,69.705 h1 r270; TopOverlay "ON" at 63.378,69.028 h0.89; Mechanical14 "ON" at 64.04,68.689 h1 r270